# Altium PCB TempdevAmmy0818.PcbDoc (part 2 of 4)
Units mm, origin at the board's own origin, x right, y up, seen from the top; angles counter-clockwise.
Board outline 80.01 x 100.08 mm, 2 copper layers (Top Layer, Bottom Layer); 938 components, 619 nets, 2936 pads, 107 vias.
Unrouted connection lines stored in the file: 2132.
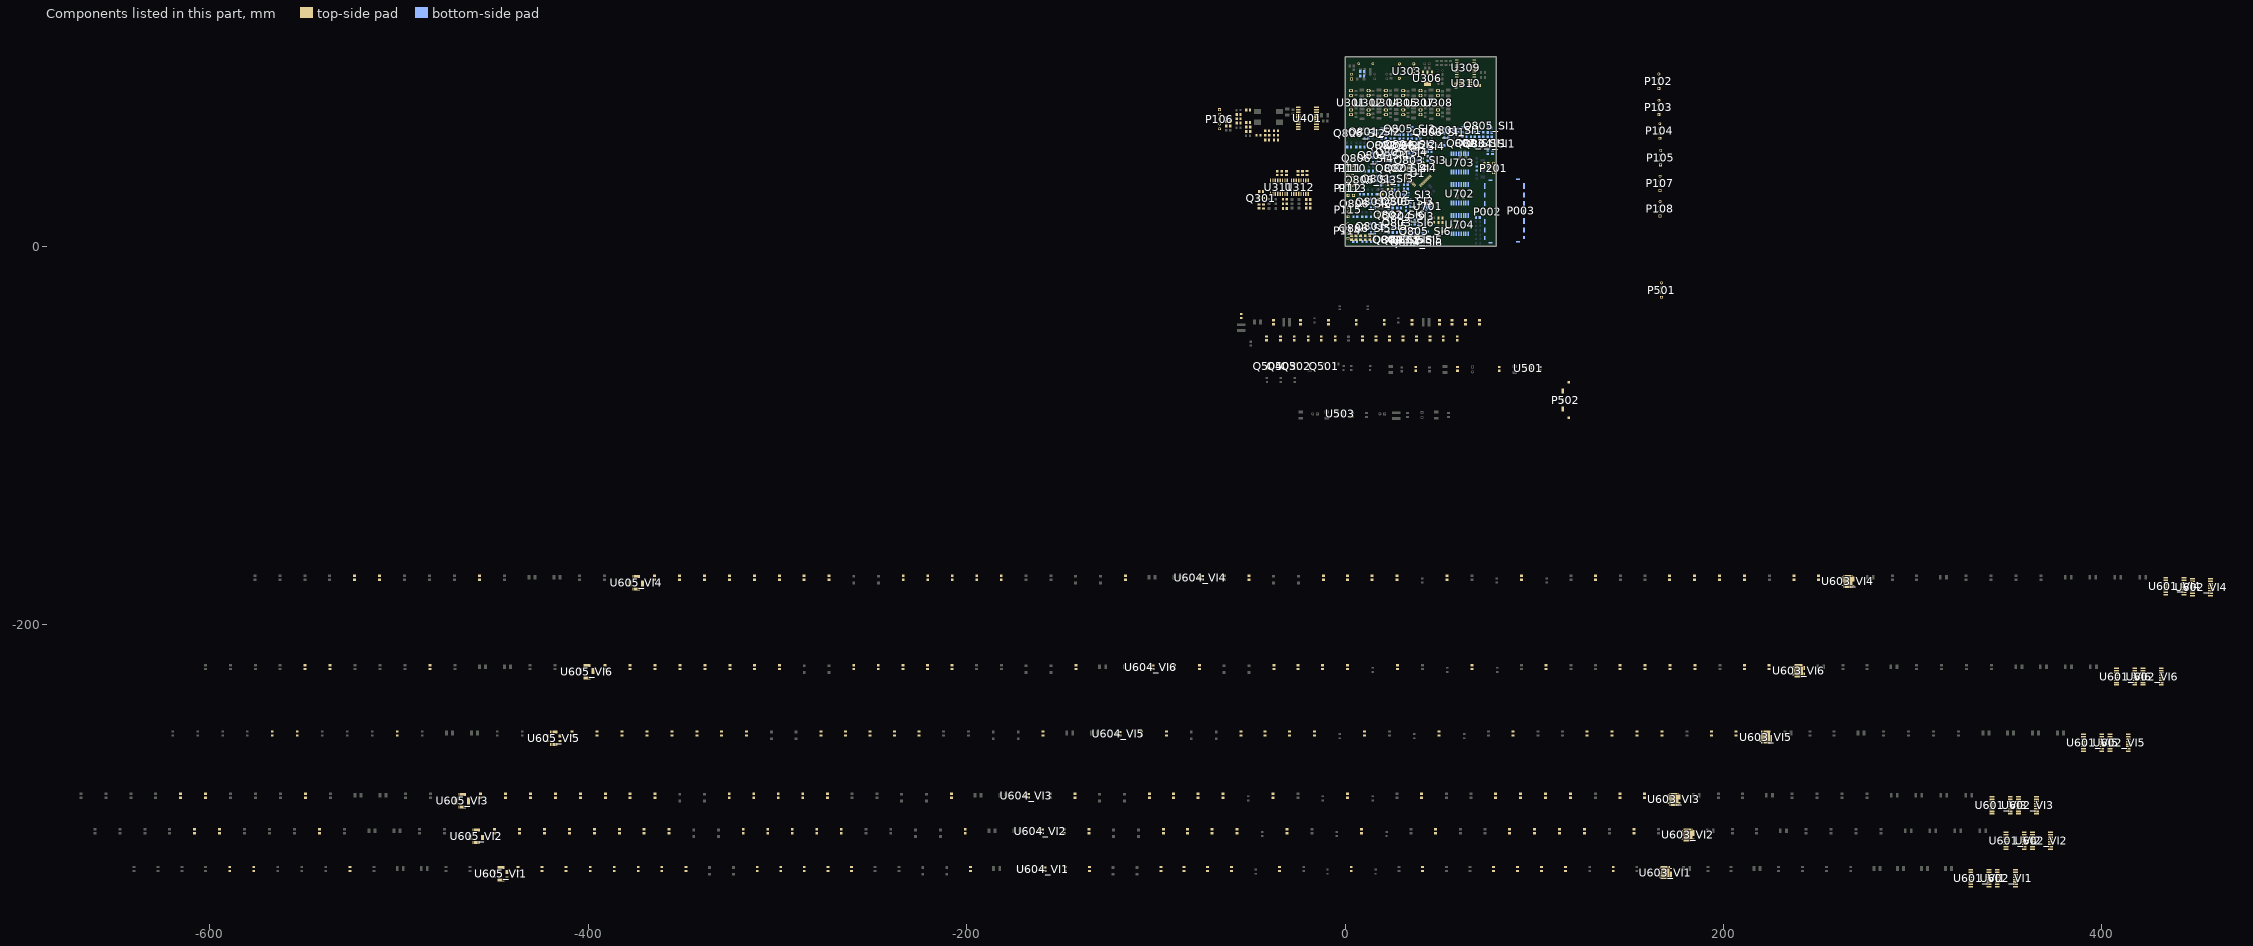
[diagram p2: the components of this part, seen from the top]

## Components (designator, comment, footprint, x,y, rotation, side; value= is the part's Value field where it differs from the comment) (continued)
L601_VI3 "VLS4012HBX-150M" 0805R#1 158.217,-291.338 r90 top value=47uH (schematic designator L601)
L601_VI4 "VLS4012HBX-150M" 0805R#1 250.165,-176.149 r90 top value=47uH (schematic designator L601)
L601_VI5 "VLS4012HBX-150M" 0805R#1 206.629,-258.445 r90 top value=47uH (schematic designator L601)
L601_VI6 "VLS4012HBX-150M" 0805R#1 224.028,-223.393 r90 top value=47uH (schematic designator L601)
L602_VI1 "VLS4012HBX-150M" 0805R#1 91.186,-330.073 r90 top value=47uH (schematic designator L602)
L602_VI2 "VLS4012HBX-150M" 0805R#1 100.076,-310.134 r90 top value=47uH (schematic designator L602)
L602_VI3 "VLS4012HBX-150M" 0805R#1 92.685,-291.338 r90 top value=47uH (schematic designator L602)
L602_VI4 "VLS4012HBX-150M" 0805R#1 184.633,-176.149 r90 top value=47uH (schematic designator L602)
L602_VI5 "VLS4012HBX-150M" 0805R#1 141.097,-258.445 r90 top value=47uH (schematic designator L602)
L602_VI6 "VLS4012HBX-150M" 0805R#1 158.496,-223.393 r90 top value=47uH (schematic designator L602)
L603_VI1 "VLS4012HBX-150M" 0805R#1 -147.828,-330.073 r90 top value=47uH (schematic designator L603)
L603_VI2 "VLS4012HBX-150M" 0805R#1 -148.59,-310.134 r90 top value=47uH (schematic designator L603)
L603_VI3 "VLS4012HBX-150M" 0805R#1 -155.981,-291.338 r90 top value=47uH (schematic designator L603)
L603_VI4 "VLS4012HBX-150M" 0805R#1 -64.033,-176.149 r90 top value=47uH (schematic designator L603)
L603_VI5 "VLS4012HBX-150M" 0805R#1 -107.569,-258.445 r90 top value=47uH (schematic designator L603)
L603_VI6 "VLS4012HBX-150M" 0805R#1 -90.17,-223.393 r90 top value=47uH (schematic designator L603)
L701 "VLS4012HBX-150M" 0805r#2 69.596,41.148 r270 bottom value=47uH
L702 "VLS4012HBX-150M" 0805r#2 75.946,41.021 r270 bottom value=47uH
MOV401 "" 0805r#2 -61.706,65.913 r180 top
MOV402 "" 0805r#2 -61.706,63.627 r180 top
NTC701 "NTCS0805E3103JHT" 0805r#2 23.765,25.146 r180 top
P002 "FPC60" FPC60 73.699,33.149 r270 bottom
P003 "FPC60" FPC60 94.703,4.134 r90 bottom
P101 "Header 2" HDR1X2 3.429,88.392 r90 top
P102 "Header 4" HDR1X4 165.862,83.439 r90 top
P103 "Header 4" HDR1X4 165.862,69.596 r90 top
P104 "Header 4" HDR1X4 166.37,57.15 r90 top
P105 "Header 4" HDR1X4 166.751,43.053 r90 top
P106 "Header 5" HDR1X5 -66.294,72.263 r270 top
P107 "Header 4" HDR1X4 166.497,29.464 r90 top
P108 "Header 4" HDR1X4 166.497,16.002 r90 top
P110 "Header 4" HDR1X4 4.064,37.465 r90 top
P111 "Header 4" HDR1X4 1.651,37.465 r90 top
P112 "Header 4" HDR1X4 1.651,26.924 r90 top
P113 "Header 4" HDR1X4 4.445,26.924 r90 top
P114 "Header 4" HDR1X4 1.524,4.318 r90 top
P115 "Header 4" HDR1X4 1.651,15.621 r90 top
P201 "Header 3" HDR1X3 78.486,38.862 r90 top
P501 "Header 4" HDR1X4 167.259,-26.924 r90 top
P502 "FPC30PIN" FPC30 114.991,-88.463 r90 top
PTC401 "NTCS0805E3103JHT" 0805r#2 -56.261,67.437 r0 top
PTC402 "NTCS0805E3103JHT" 0805r#2 -51.165,62.992 r180 top
Q301 "MMSS8050" SOT-23(SS8050) -45.466,26.411 r270 top
Q501 "MMSS8050" SOT-23 -11.938,-64.516 r0 top
Q502 "MMSS8050" SOT-23 -26.67,-64.516 r0 top
Q503 "MMSS8050" SOT-23 -34.036,-64.516 r0 top
Q504 "MMSS8050" SOT-23 -41.402,-64.516 r0 top
Q801_SI1 "MMSS8550" SOT-23 59.69,62.291 r270 bottom (schematic designator Q801)
Q801_SI2 "MMSS8550" SOT-23 16.764,61.463 r270 bottom (schematic designator Q801)
Q801_SI3 "MMSS8550" SOT-23 23.671,36.642 r270 bottom (schematic designator Q801)
Q801_SI4 "MMSS8550" SOT-23 21.59,49.083 r270 bottom (schematic designator Q801)
Q801_SI5 "MMSS8550" SOT-23 20.701,11.618 r270 bottom (schematic designator Q801)
Q801_SI6 "MMSS8550" SOT-23 20.701,24.572 r270 bottom (schematic designator Q801)
Q802_SI1 "MMSS8550" SOT-23 68.707,55.499 r270 bottom (schematic designator Q802)
Q802_SI2 "MMSS8550" SOT-23 26.289,54.29 r270 bottom (schematic designator Q802)
Q802_SI3 "MMSS8550" SOT-23 33.147,28.321 r270 bottom (schematic designator Q802)
Q802_SI4 "MMSS8550" SOT-23 31.242,42.098 r270 bottom (schematic designator Q802)
Q802_SI5 "MMSS8550" SOT-23 29.591,4.506 r270 bottom (schematic designator Q802)
Q802_SI6 "MMSS8550" SOT-23 29.972,17.587 r270 bottom (schematic designator Q802)
Q803_SI1 "MMSS8050" SOT-23 73.152,55.433 r270 bottom (schematic designator Q803)
Q803_SI2 "MMSS8050" SOT-23 30.988,54.483 r270 bottom (schematic designator Q803)
Q803_SI3 "MMSS8050" SOT-23 40.816,46.421 r270 bottom (schematic designator Q803)
Q803_SI4 "MMSS8050" SOT-23 35.941,42.098 r270 bottom (schematic designator Q803)
Q803_SI5 "MMSS8050" SOT-23 34.163,4.506 r270 bottom (schematic designator Q803)
Q803_SI6 "MMSS8050" SOT-23 34.544,13.34 r270 bottom (schematic designator Q803)
Q804_SI1 "MMSS8550" SOT-23 77.155,53.037 r180 bottom (schematic designator Q804)
Q804_SI2 "MMSS8550" SOT-23 35.56,54.991 r270 bottom (schematic designator Q804)
Q804_SI3 "MMSS8550" SOT-23 34.593,16.83 r270 bottom (schematic designator Q804)
Q804_SI4 "MMSS8550" SOT-23 40.181,53.914 r270 bottom (schematic designator Q804)
Q804_SI5 "MMSS8550" SOT-23 29.596,4.567 r180 top (schematic designator Q804)
Q804_SI6 "MMSS8550" SOT-23 38.989,2.794 r270 bottom (schematic designator Q804)
Q805_SI1 "BSS138" SOT-23(SS8050) 77.47,62.484 r180 bottom (schematic designator Q805)
Q805_SI2 "BSS138" SOT-23(SS8050) 35.306,63.119 r270 bottom (schematic designator Q805)
Q805_SI3 "BSS138" SOT-23(SS8050) 34.29,24.897 r270 bottom (schematic designator Q805)
Q805_SI4 "BSS138" SOT-23(SS8050) 31.115,50.678 r270 bottom (schematic designator Q805)
Q805_SI5 "BSS138" SOT-23(SS8050) 36.83,4.445 r270 top (schematic designator Q805)
Q805_SI6 "BSS138" SOT-23(SS8050) 41.148,6.985 r90 bottom (schematic designator Q805)
Q806_SI1 "Si1024X" SOT563 49.268,61.125 r270 bottom (schematic designator Q806)
Q806_SI2 "Si1024X" SOT563 7.231,60.414 r270 bottom (schematic designator Q806)
Q806_SI3 "Si1024X" SOT563 12.954,35.979 r270 bottom (schematic designator Q806)
Q806_SI4 "Si1024X" SOT563 11.43,47.371 r270 bottom (schematic designator Q806)
Q806_SI5 "Si1024X" SOT563 10.295,10.325 r270 bottom (schematic designator Q806)
Q806_SI6 "Si1024X" SOT563 10.541,23.152 r270 bottom (schematic designator Q806)
R201 "RC0805JR-000KL" 0805R#2 50.435,14.986 r180 top value=0R
R202 "RC0805JR-07120RL" 0805R#2 50.435,12.573 r180 top value=120
R203 "RC0805JR-0710KL" 0805R#2 45.847,12.7 r180 top value=10K
R204 "RC0805JR-0720RL" 0805R#2 74.676,43.942 r180 top value=20
R205 "RC0805JR-0720RL" 0805R#2 74.676,41.402 r180 top value=20
R206 "RC0805JR-0710KL" 0805R#2 -36.465,61.087 r0 top value=10K
R207 "RC0805JR-0710KL" 0805R#2 -41.148,56.261 r180 top value=10K
R208 "RC0805JR-0710KL" 0805R#2 -41.132,58.674 r180 top value=10K
R209 "RC0805JR-0710KL" 0805R#2 -36.465,56.261 r0 top value=NC
R210 "RC0805JR-0710KL" 0805R#2 -36.465,58.674 r0 top value=NC
R211 "RC0805JR-0710KL" 0805R#2 -41.148,61.087 r180 top value=NC
R212 "RC0805JR-000KL" 0805R#2 -45.736,58.674 r0 top value=0R
R213 "RC0805JR-0710KL" 0805R#2 70.231,15.24 r180 bottom value=10K
R301 "PNP-200KJBJ26-10R" 0805R#1 10.049,92.456 r180 bottom value=10
R302 "PNP-200KJBJ26-10R" 0805R#1 10.049,90.043 r180 bottom value=10
R303 "10D470K" 10D470K 10.989,96.52 r180 bottom
R304 "RC0805JR-071KL" 0805R#2 58.674,84.947 r90 top value=1K
R305 "RC0805JR-07470RL" 0805R#2 70.104,84.963 r0 top value=470
R306 "RC0805JR-071KL" 0805R#2 -31.75,24.892 r180 top value=1K
R307 "RC0805JR-071KL" 0805R#2 -31.75,22.479 r180 top value=1K
R308 "RC0805JR-071KL" 0805R#2 -31.75,20.066 r180 top value=1K
R309 "RC0805JR-071KL" 0805R#2 -19.431,24.765 r180 top value=1K
R310 "RC0805JR-071KL" 0805R#2 -19.431,22.479 r180 top value=1K
R311 "RC0805JR-071KL" 0805R#2 -19.431,20.193 r180 top value=1K
R312 "RC0805JR-074700RL" 0805R#2 -30.988,38.719 r90 top value=4.7K
R313 "RC0805JR-074700RL" 0805R#2 -33.401,38.719 r90 top value=4.7K
R314 "RC0805JR-0710KL" 0805R#2 -44.339,28.956 r0 top value=10K
R315 "RC0805JR-074700RL" 0805R#2 -35.814,38.719 r90 top value=4.7K
R316 "RC0805JR-074700RL" 0805R#2 -20.066,38.735 r90 top value=4.7K
R317 "RC0805JR-071KL" 0805R#2 -43.053,21.082 r270 top value=1K
R318 "RC0805JR-071KL" 0805R#2 -45.466,21.082 r90 top value=1K
R319 "RC0805JR-074700RL" 0805R#2 -22.479,38.719 r90 top value=4.7K
R320 "RC0805JR-074700RL" 0805R#2 -24.892,38.719 r90 top value=4.7K
R401 "RC0805JR-0710KL" 0805R#2 -56.261,69.723 r0 top value=10K
R402 "RC0805JR-0720RL" 0805R#2 -51.181,72.009 r180 top value=20
R403 "" 0805R#2 -56.277,65.151 r0 top value=3.9K
R404 "RC0805JR-0720RL" 0805R#2 -51.197,65.405 r0 top value=20
R405 "RC0805JR-0710KL" 0805R#2 -51.165,60.706 r180 top value=10K
R501 "0805L075" 0805R#2 -37.719,-40.132 r270 top value=PTC
R502 "" 0805R#2 -23.495,-40.132 r270 top value=NC
R503 "RC0805JR-0720RL" 0805R#2 -8.763,-40.132 r270 top value=20
R504 "RC0805JR-0720RL" 0805R#2 5.969,-40.132 r270 top value=20
R505 "" 0805R#2 20.701,-40.132 r270 top value=1.5K
R506 "0805L075" 0805R#2 35.433,-40.132 r270 top value=PTC
R507 "RC0805JR-0710KL" 0805R#2 51.943,-48.641 r90 top value=10K
R508 "RC0805JR-0710KL" 0805R#2 59.309,-48.641 r90 top value=10K
R509 "RC0805JR-0710KL" 0805R#2 70.993,-40.132 r270 top value=10K
R510 "RC0805JR-0710KL" 0805R#2 63.627,-40.132 r270 top value=10K
R511 "RC0805JR-0710KL" 0805R#2 56.515,-40.132 r270 top value=10K
R512 "RC0805JR-0710KL" 0805R#2 49.911,-40.132 r270 top value=10K
R513 "RC0805JR-0710KL" 0805R#2 23.495,-48.641 r90 top value=10K
R514 "RC0805JR-0710KL" 0805R#2 30.607,-48.641 r90 top value=10K
R515 "RC0805JR-0710KL" 0805R#2 37.719,-48.641 r90 top value=10K
R516 "RC0805JR-0710KL" 0805R#2 44.831,-48.641 r90 top value=10K
R517 "RC0805JR-07120RL" 0805R#2 16.383,-48.641 r90 top value=120
R518 "RC0805JR-0710KL" 0805R#2 9.271,-48.641 r90 top value=10K
R519 "RC0805JR-07120RL" 0805R#2 -5.207,-48.641 r90 top value=120
R520 "RC0805JR-0710KL" 0805R#2 -12.573,-48.641 r90 top value=10K
R521 "RC0805JR-07120RL" 0805R#2 -19.431,-48.641 r90 top value=120
R522 "RC0805JR-0710KL" 0805R#2 -26.797,-48.641 r90 top value=10K
R523 "RC0805JR-07120RL" 0805R#2 -34.163,-48.641 r90 top value=120
R524 "RC0805JR-0710KL" 0805R#2 -41.529,-48.641 r90 top value=10K
R525 "" 0805R#2 103.124,-64.77 r90 top value=150k
R526 "" 0805R#2 81.534,-64.77 r90 top value=51k
R527 "RC0805JR-0720RL" 0805R#2 59.436,-64.77 r90 top value=51R
R528 "RC0805JR-0720RL" 0805R#2 37.338,-64.77 r90 top value=560k
R529 "" 0805R#2 4.064,-88.9 r90 top value=127k
R530 "" 0805R#2 -54.864,-36.83 r90 top value=13.3k
R601_VI1 "RC0805JR-0710KL" 0805R#1 141.732,-330.073 r90 top value=10K (schematic designator R601)
R601_VI2 "RC0805JR-0710KL" 0805R#1 152.654,-310.134 r90 top value=10K (schematic designator R601)
R601_VI3 "RC0805JR-0710KL" 0805R#1 145.263,-291.338 r90 top value=10K (schematic designator R601)
R601_VI4 "RC0805JR-0710KL" 0805R#1 237.211,-176.149 r90 top value=10K (schematic designator R601)
R601_VI5 "RC0805JR-0710KL" 0805R#1 193.675,-258.445 r90 top value=10K (schematic designator R601)
R601_VI6 "RC0805JR-0710KL" 0805R#1 211.074,-223.393 r90 top value=10K (schematic designator R601)
R602_VI1 "RC0805JR-000KL" 0805R#1 116.586,-330.073 r90 top value=0R (schematic designator R602)
R602_VI2 "RC0805JR-000KL" 0805R#1 126.492,-310.134 r90 top value=0R (schematic designator R602)
R602_VI3 "RC0805JR-000KL" 0805R#1 119.101,-291.338 r90 top value=0R (schematic designator R602)
R602_VI4 "RC0805JR-000KL" 0805R#1 211.049,-176.149 r90 top value=0R (schematic designator R602)
R602_VI5 "RC0805JR-000KL" 0805R#1 167.513,-258.445 r90 top value=0R (schematic designator R602)
R602_VI6 "RC0805JR-000KL" 0805R#1 184.912,-223.393 r90 top value=0R (schematic designator R602)
R603_VI1 "RC0805JR-073KL" 0805R#1 103.886,-330.073 r90 top value=13.7K (schematic designator R603)
R603_VI2 "RC0805JR-073KL" 0805R#1 113.284,-310.134 r90 top value=13.7K (schematic designator R603)
R603_VI3 "RC0805JR-073KL" 0805R#1 105.893,-291.338 r90 top value=13.7K (schematic designator R603)
R603_VI4 "RC0805JR-073KL" 0805R#1 197.841,-176.149 r90 top value=13.7K (schematic designator R603)
R603_VI5 "RC0805JR-073KL" 0805R#1 154.305,-258.445 r90 top value=13.7K (schematic designator R603)
R603_VI6 "RC0805JR-073KL" 0805R#1 171.704,-223.393 r90 top value=13.7K (schematic designator R603)
R604_VI1 "RC0805JR-000KL" 0805R#1 78.486,-330.073 r90 top value=0R (schematic designator R604)
R604_VI2 "RC0805JR-000KL" 0805R#1 86.868,-310.134 r90 top value=0R (schematic designator R604)
R604_VI3 "RC0805JR-000KL" 0805R#1 79.477,-291.338 r90 top value=0R (schematic designator R604)
R604_VI4 "RC0805JR-000KL" 0805R#1 171.425,-176.149 r90 top value=0R (schematic designator R604)
R604_VI5 "RC0805JR-000KL" 0805R#1 127.889,-258.445 r90 top value=0R (schematic designator R604)
R604_VI6 "RC0805JR-000KL" 0805R#1 145.288,-223.393 r90 top value=0R (schematic designator R604)
R605_VI1 "RC0805JR-000KL" 0805R#1 40.894,-330.073 r90 top value=0R (schematic designator R605)
R605_VI2 "RC0805JR-000KL" 0805R#1 47.752,-310.134 r90 top value=0R (schematic designator R605)
R605_VI3 "RC0805JR-000KL" 0805R#1 40.361,-291.338 r90 top value=0R (schematic designator R605)
R605_VI4 "RC0805JR-000KL" 0805R#1 132.309,-176.149 r90 top value=0R (schematic designator R605)
R605_VI5 "RC0805JR-000KL" 0805R#1 88.773,-258.445 r90 top value=0R (schematic designator R605)
R605_VI6 "RC0805JR-000KL" 0805R#1 106.172,-223.393 r90 top value=0R (schematic designator R605)
R606_VI1 "" 0805R#1 3.302,-330.073 r90 top value=10R (schematic designator R606)
R606_VI2 "" 0805R#1 8.636,-310.134 r90 top value=10R (schematic designator R606)
R606_VI3 "" 0805R#1 1.245,-291.338 r90 top value=10R (schematic designator R606)
R606_VI4 "" 0805R#1 93.193,-176.149 r90 top value=10R (schematic designator R606)
R606_VI5 "" 0805R#1 49.657,-258.445 r90 top value=10R (schematic designator R606)
R606_VI6 "" 0805R#1 67.056,-223.393 r90 top value=10R (schematic designator R606)
R607_VI1 "RC0805JR-074700RL" 0805R#1 -34.544,-330.073 r90 top value=4.7K (schematic designator R607)
R607_VI2 "RC0805JR-074700RL" 0805R#1 -30.734,-310.134 r90 top value=4.7K (schematic designator R607)
R607_VI3 "RC0805JR-074700RL" 0805R#1 -38.125,-291.338 r90 top value=4.7K (schematic designator R607)
R607_VI4 "RC0805JR-074700RL" 0805R#1 53.823,-176.149 r90 top value=4.7K (schematic designator R607)
R607_VI5 "RC0805JR-074700RL" 0805R#1 10.287,-258.445 r90 top value=4.7K (schematic designator R607)
R607_VI6 "RC0805JR-074700RL" 0805R#1 27.686,-223.393 r90 top value=4.7K (schematic designator R607)
R608_VI1 "RC0805JR-071KL" 0805R#1 -59.944,-330.073 r90 top value=1K (schematic designator R608)
R608_VI2 "RC0805JR-071KL" 0805R#1 -57.15,-310.134 r90 top value=1K (schematic designator R608)
R608_VI3 "RC0805JR-071KL" 0805R#1 -64.541,-291.338 r90 top value=1K (schematic designator R608)
R608_VI4 "RC0805JR-071KL" 0805R#1 27.407,-176.149 r90 top value=1K (schematic designator R608)
R608_VI5 "RC0805JR-071KL" 0805R#1 -16.129,-258.445 r90 top value=1K (schematic designator R608)
R608_VI6 "RC0805JR-071KL" 0805R#1 1.27,-223.393 r90 top value=1K (schematic designator R608)
R609_VI1 "RC0805JR-071KL" 0805R#1 -72.644,-330.073 r90 top value=1K (schematic designator R609)
R609_VI2 "RC0805JR-071KL" 0805R#1 -70.358,-310.134 r90 top value=1K (schematic designator R609)
R609_VI3 "RC0805JR-071KL" 0805R#1 -77.749,-291.338 r90 top value=1K (schematic designator R609)
R609_VI4 "RC0805JR-071KL" 0805R#1 14.199,-176.149 r90 top value=1K (schematic designator R609)
R609_VI5 "RC0805JR-071KL" 0805R#1 -29.337,-258.445 r90 top value=1K (schematic designator R609)
R609_VI6 "RC0805JR-071KL" 0805R#1 -11.938,-223.393 r90 top value=1K (schematic designator R609)
R610_VI1 "RC0805JR-071KL" 0805R#1 -85.09,-330.073 r90 top value=1K (schematic designator R610)
R610_VI2 "RC0805JR-071KL" 0805R#1 -83.312,-310.134 r90 top value=1K (schematic designator R610)
R610_VI3 "RC0805JR-071KL" 0805R#1 -90.703,-291.338 r90 top value=1K (schematic designator R610)
R610_VI4 "RC0805JR-071KL" 0805R#1 1.245,-176.149 r90 top value=1K (schematic designator R610)
R610_VI5 "RC0805JR-071KL" 0805R#1 -42.291,-258.445 r90 top value=1K (schematic designator R610)
R610_VI6 "RC0805JR-071KL" 0805R#1 -24.892,-223.393 r90 top value=1K (schematic designator R610)
R611_VI1 "RC0805JR-071KL" 0805R#1 -97.282,-330.073 r90 top value=1K (schematic designator R611)
R611_VI2 "RC0805JR-071KL" 0805R#1 -96.012,-310.134 r90 top value=1K (schematic designator R611)
R611_VI3 "RC0805JR-071KL" 0805R#1 -103.403,-291.338 r90 top value=1K (schematic designator R611)
R611_VI4 "RC0805JR-071KL" 0805R#1 -11.455,-176.149 r90 top value=1K (schematic designator R611)
R611_VI5 "RC0805JR-071KL" 0805R#1 -54.991,-258.445 r90 top value=1K (schematic designator R611)
R611_VI6 "RC0805JR-071KL" 0805R#1 -37.592,-223.393 r90 top value=1K (schematic designator R611)
R612_VI1 "RC0805JR-073KL" 0805R#1 -135.128,-330.073 r90 top value=3K (schematic designator R612)
R612_VI2 "RC0805JR-073KL" 0805R#1 -135.382,-310.134 r90 top value=3K (schematic designator R612)
R612_VI3 "RC0805JR-073KL" 0805R#1 -142.773,-291.338 r90 top value=3K (schematic designator R612)
R612_VI4 "RC0805JR-073KL" 0805R#1 -50.825,-176.149 r90 top value=3K (schematic designator R612)
R612_VI5 "RC0805JR-073KL" 0805R#1 -94.361,-258.445 r90 top value=3K (schematic designator R612)
R612_VI6 "RC0805JR-073KL" 0805R#1 -76.962,-223.393 r90 top value=3K (schematic designator R612)
R613_VI1 "RC0805JR-000KL" 0805R#1 -197.866,-330.073 r90 top value=0R (schematic designator R613)
R613_VI2 "RC0805JR-000KL" 0805R#1 -200.66,-310.134 r90 top value=0R (schematic designator R613)
R613_VI3 "RC0805JR-000KL" 0805R#1 -208.051,-291.338 r90 top value=0R (schematic designator R613)
R613_VI4 "RC0805JR-000KL" 0805R#1 -116.103,-176.149 r90 top value=0R (schematic designator R613)
R613_VI5 "RC0805JR-000KL" 0805R#1 -159.639,-258.445 r90 top value=0R (schematic designator R613)
R613_VI6 "RC0805JR-000KL" 0805R#1 -142.24,-223.393 r90 top value=0R (schematic designator R613)
R614_VI1 "RC0805JR-000KL" 0805R#1 -260.858,-330.073 r90 top value=0R (schematic designator R614)
R614_VI2 "RC0805JR-000KL" 0805R#1 -266.192,-310.134 r90 top value=0R (schematic designator R614)
R614_VI3 "RC0805JR-000KL" 0805R#1 -273.583,-291.338 r90 top value=0R (schematic designator R614)
R614_VI4 "RC0805JR-000KL" 0805R#1 -181.635,-176.149 r90 top value=0R (schematic designator R614)
R614_VI5 "RC0805JR-000KL" 0805R#1 -225.171,-258.445 r90 top value=0R (schematic designator R614)
R614_VI6 "RC0805JR-000KL" 0805R#1 -207.772,-223.393 r90 top value=0R (schematic designator R614)
R615_VI1 "RC0805JR-073KL" 0805R#1 -285.75,-330.073 r90 top value=3K (schematic designator R615)
R615_VI2 "RC0805JR-073KL" 0805R#1 -292.1,-310.134 r90 top value=3K (schematic designator R615)
R615_VI3 "RC0805JR-073KL" 0805R#1 -299.491,-291.338 r90 top value=3K (schematic designator R615)
R615_VI4 "RC0805JR-073KL" 0805R#1 -207.543,-176.149 r90 top value=3K (schematic designator R615)
R615_VI5 "RC0805JR-073KL" 0805R#1 -251.079,-258.445 r90 top value=3K (schematic designator R615)
R615_VI6 "RC0805JR-073KL" 0805R#1 -233.68,-223.393 r90 top value=3K (schematic designator R615)
R616_VI1 "RC0805JR-0710KL" 0805R#1 -273.304,-330.073 r90 top value=10K (schematic designator R616)
R616_VI2 "RC0805JR-0710KL" 0805R#1 -279.146,-310.134 r90 top value=10K (schematic designator R616)
R616_VI3 "RC0805JR-0710KL" 0805R#1 -286.537,-291.338 r90 top value=10K (schematic designator R616)
R616_VI4 "RC0805JR-0710KL" 0805R#1 -194.589,-176.149 r90 top value=10K (schematic designator R616)
R616_VI5 "RC0805JR-0710KL" 0805R#1 -238.125,-258.445 r90 top value=10K (schematic designator R616)
R616_VI6 "RC0805JR-0710KL" 0805R#1 -220.726,-223.393 r90 top value=10K (schematic designator R616)
R617_VI1 "RC0805JR-000KL" 0805R#1 -298.196,-330.073 r90 top value=0R (schematic designator R617)
R617_VI2 "RC0805JR-000KL" 0805R#1 -305.054,-310.134 r90 top value=0R (schematic designator R617)
R617_VI3 "RC0805JR-000KL" 0805R#1 -312.445,-291.338 r90 top value=0R (schematic designator R617)
R617_VI4 "RC0805JR-000KL" 0805R#1 -220.497,-176.149 r90 top value=0R (schematic designator R617)
R617_VI5 "RC0805JR-000KL" 0805R#1 -264.033,-258.445 r90 top value=0R (schematic designator R617)
R617_VI6 "RC0805JR-000KL" 0805R#1 -246.634,-223.393 r90 top value=0R (schematic designator R617)
R618_VI1 "RC0805JR-0710KL" 0805R#1 -310.642,-330.073 r90 top value=10K (schematic designator R618)
R618_VI2 "RC0805JR-0710KL" 0805R#1 -318.008,-310.134 r90 top value=10K (schematic designator R618)
R618_VI3 "RC0805JR-0710KL" 0805R#1 -325.399,-291.338 r90 top value=10K (schematic designator R618)
R618_VI4 "RC0805JR-0710KL" 0805R#1 -233.451,-176.149 r90 top value=10K (schematic designator R618)
R618_VI5 "RC0805JR-0710KL" 0805R#1 -276.987,-258.445 r90 top value=10K (schematic designator R618)
R618_VI6 "RC0805JR-0710KL" 0805R#1 -259.588,-223.393 r90 top value=10K (schematic designator R618)
R619_VI1 "RC0805JR-000KL" 0805R#1 -348.361,-330.073 r90 top value=0R (schematic designator R619)
R619_VI2 "RC0805JR-000KL" 0805R#1 -357.251,-310.134 r90 top value=0R (schematic designator R619)
R619_VI3 "RC0805JR-000KL" 0805R#1 -364.642,-291.338 r90 top value=0R (schematic designator R619)
R619_VI4 "RC0805JR-000KL" 0805R#1 -272.694,-176.149 r90 top value=0R (schematic designator R619)
R619_VI5 "RC0805JR-000KL" 0805R#1 -316.23,-258.445 r90 top value=0R (schematic designator R619)
R619_VI6 "RC0805JR-000KL" 0805R#1 -298.831,-223.393 r90 top value=0R (schematic designator R619)
R620_VI1 "RC0805JR-0710KL" 0805R#1 -361.061,-330.073 r90 top value=10K (schematic designator R620)
R620_VI2 "RC0805JR-0710KL" 0805R#1 -370.459,-310.134 r90 top value=10K (schematic designator R620)
R620_VI3 "RC0805JR-0710KL" 0805R#1 -377.85,-291.338 r90 top value=10K (schematic designator R620)
R620_VI4 "RC0805JR-0710KL" 0805R#1 -285.902,-176.149 r90 top value=10K (schematic designator R620)
R620_VI5 "RC0805JR-0710KL" 0805R#1 -329.438,-258.445 r90 top value=10K (schematic designator R620)
R620_VI6 "RC0805JR-0710KL" 0805R#1 -312.039,-223.393 r90 top value=10K (schematic designator R620)
R621_VI1 "RC0805JR-000KL" 0805R#1 -373.507,-330.073 r90 top value=0R (schematic designator R621)
R621_VI2 "RC0805JR-000KL" 0805R#1 -383.413,-310.134 r90 top value=0R (schematic designator R621)
R621_VI3 "RC0805JR-000KL" 0805R#1 -390.804,-291.338 r90 top value=0R (schematic designator R621)
R621_VI4 "RC0805JR-000KL" 0805R#1 -298.856,-176.149 r90 top value=0R (schematic designator R621)
R621_VI5 "RC0805JR-000KL" 0805R#1 -342.392,-258.445 r90 top value=0R (schematic designator R621)
R621_VI6 "RC0805JR-000KL" 0805R#1 -324.993,-223.393 r90 top value=0R (schematic designator R621)
R622_VI1 "RC0805JR-000KL" 0805R#1 -386.207,-330.073 r90 top value=0R (schematic designator R622)
R622_VI2 "RC0805JR-000KL" 0805R#1 -396.621,-310.134 r90 top value=0R (schematic designator R622)
R622_VI3 "RC0805JR-000KL" 0805R#1 -404.012,-291.338 r90 top value=0R (schematic designator R622)
R622_VI4 "RC0805JR-000KL" 0805R#1 -312.064,-176.149 r90 top value=0R (schematic designator R622)
R622_VI5 "RC0805JR-000KL" 0805R#1 -355.6,-258.445 r90 top value=0R (schematic designator R622)
R622_VI6 "RC0805JR-000KL" 0805R#1 -338.201,-223.393 r90 top value=0R (schematic designator R622)
R623_VI1 "RC0805JR-0710KL" 0805R#1 -398.907,-330.073 r90 top value=10K (schematic designator R623)
R623_VI2 "RC0805JR-0710KL" 0805R#1 -409.829,-310.134 r90 top value=10K (schematic designator R623)
R623_VI3 "RC0805JR-0710KL" 0805R#1 -417.22,-291.338 r90 top value=10K (schematic designator R623)
R623_VI4 "RC0805JR-0710KL" 0805R#1 -325.272,-176.149 r90 top value=10K (schematic designator R623)
R623_VI5 "RC0805JR-0710KL" 0805R#1 -368.808,-258.445 r90 top value=10K (schematic designator R623)
R623_VI6 "RC0805JR-0710KL" 0805R#1 -351.409,-223.393 r90 top value=10K (schematic designator R623)
R624_VI1 "RC0805JR-0710KL" 0805R#1 -411.607,-330.073 r90 top value=10K (schematic designator R624)
R624_VI2 "RC0805JR-0710KL" 0805R#1 -423.037,-310.134 r90 top value=10K (schematic designator R624)
R624_VI3 "RC0805JR-0710KL" 0805R#1 -430.428,-291.338 r90 top value=10K (schematic designator R624)
R624_VI4 "RC0805JR-0710KL" 0805R#1 -338.48,-176.149 r90 top value=10K (schematic designator R624)
R624_VI5 "RC0805JR-0710KL" 0805R#1 -382.016,-258.445 r90 top value=10K (schematic designator R624)
R624_VI6 "RC0805JR-0710KL" 0805R#1 -364.617,-223.393 r90 top value=10K (schematic designator R624)
R625_VI1 "RC0805JR-000KL" 0805R#1 -424.307,-330.073 r90 top value=0R (schematic designator R625)
R625_VI2 "RC0805JR-000KL" 0805R#1 -436.245,-310.134 r90 top value=0R (schematic designator R625)
R625_VI3 "RC0805JR-000KL" 0805R#1 -443.636,-291.338 r90 top value=0R (schematic designator R625)
R625_VI4 "RC0805JR-000KL" 0805R#1 -351.688,-176.149 r90 top value=0R (schematic designator R625)
R625_VI5 "RC0805JR-000KL" 0805R#1 -395.224,-258.445 r90 top value=0R (schematic designator R625)
R625_VI6 "RC0805JR-000KL" 0805R#1 -377.825,-223.393 r90 top value=0R (schematic designator R625)
R626_VI1 "RC0805JR-0710KL" 0805R#1 -437.007,-330.073 r90 top value=10K (schematic designator R626)
R626_VI2 "RC0805JR-0710KL" 0805R#1 -449.453,-310.134 r90 top value=10K (schematic designator R626)
R626_VI3 "RC0805JR-0710KL" 0805R#1 -456.844,-291.338 r90 top value=10K (schematic designator R626)
R626_VI4 "RC0805JR-0710KL" 0805R#1 -364.896,-176.149 r90 top value=10K (schematic designator R626)
R626_VI5 "RC0805JR-0710KL" 0805R#1 -408.432,-258.445 r90 top value=10K (schematic designator R626)
R626_VI6 "RC0805JR-0710KL" 0805R#1 -391.033,-223.393 r90 top value=10K (schematic designator R626)
R627_VI1 "" 0805R#1 -525.907,-330.073 r90 top value=150K (schematic designator R627)
R627_VI2 "" 0805R#1 -541.909,-310.134 r90 top value=150K (schematic designator R627)
R627_VI3 "" 0805R#1 -549.3,-291.338 r90 top value=150K (schematic designator R627)
R627_VI4 "" 0805R#1 -457.352,-176.149 r90 top value=150K (schematic designator R627)
R627_VI5 "" 0805R#1 -500.888,-258.445 r90 top value=150K (schematic designator R627)
R627_VI6 "" 0805R#1 -483.489,-223.393 r90 top value=150K (schematic designator R627)
R628_VI1 "" 0805R#1 -576.707,-330.073 r90 top value=1.2M (schematic designator R628)
R628_VI2 "" 0805R#1 -594.741,-310.134 r90 top value=1.2M (schematic designator R628)
R628_VI3 "" 0805R#1 -602.132,-291.338 r90 top value=1.2M (schematic designator R628)
R628_VI4 "" 0805R#1 -510.184,-176.149 r90 top value=1.2M (schematic designator R628)
R628_VI5 "" 0805R#1 -553.72,-258.445 r90 top value=1.2M (schematic designator R628)
R628_VI6 "" 0805R#1 -536.321,-223.393 r90 top value=1.2M (schematic designator R628)
R629_VI1 "" 0805R#1 -589.407,-330.073 r90 top value=1.2M (schematic designator R629)
R629_VI2 "" 0805R#1 -607.949,-310.134 r90 top value=1.2M (schematic designator R629)
R629_VI3 "" 0805R#1 -615.34,-291.338 r90 top value=1.2M (schematic designator R629)
R629_VI4 "" 0805R#1 -523.392,-176.149 r90 top value=1.2M (schematic designator R629)
R629_VI5 "" 0805R#1 -566.928,-258.445 r90 top value=1.2M (schematic designator R629)
R629_VI6 "" 0805R#1 -549.529,-223.393 r90 top value=1.2M (schematic designator R629)
R701 "RC0805JR-075600RL" 0805R#2 18.669,25.146 r0 top value=5.6K
R702 "RC0805JR-071KL" 0805R#2 18.653,27.559 r0 top value=1K
R703 "RC0805JR-071KL" 0805R#2 23.733,32.512 r0 top value=1K
R704 "RC0805JR-07470RL" 0805R#2 23.733,29.972 r0 top value=470
R705 "RC0805JR-000KL" 0805R#2 50.419,7.747 r0 top value=0R
R706 "RC0805JR-071KL" 0805R#2 23.749,15.494 r180 top value=1K
R707 "RC0805JR-075600RL" 0805R#2 18.653,15.494 r0 top value=5.6K
R708 "RC0805JR-071KL" 0805R#2 18.669,17.78 r180 top value=1K
R801_SI1 "RC0805JR-0710KL" 0805R#2 67.564,60.325 r0 bottom value=10K (schematic designator R801)
R801_SI2 "RC0805JR-0710KL" 0805R#2 25.019,59.309 r0 bottom value=10K (schematic designator R801)
R801_SI3 "RC0805JR-0710KL" 0805R#2 32.131,32.639 r0 bottom value=10K (schematic designator R801)
R801_SI4 "RC0805JR-0710KL" 0805R#2 30.099,46.99 r0 bottom value=10K (schematic designator R801)
R801_SI5 "RC0805JR-0710KL" 0805R#2 28.448,9.525 r0 bottom value=10K (schematic designator R801)
R801_SI6 "RC0805JR-0710KL" 0805R#2 28.575,22.606 r0 bottom value=10K (schematic designator R801)
R802_SI1 "RC0805JR-0710KL" 0805R#2 63.119,60.325 r0 bottom value=10K (schematic designator R802)
R802_SI2 "RC0805JR-0710KL" 0805R#2 20.447,59.563 r0 bottom value=10K (schematic designator R802)
R802_SI3 "RC0805JR-0710KL" 0805R#2 27.178,34.671 r0 bottom value=10K (schematic designator R802)
R802_SI4 "RC0805JR-0710KL" 0805R#2 25.146,46.99 r0 bottom value=10K (schematic designator R802)
R802_SI5 "RC0805JR-0710KL" 0805R#2 24.13,9.525 r0 bottom value=10K (schematic designator R802)
R802_SI6 "RC0805JR-0710KL" 0805R#2 24.13,22.606 r0 bottom value=10K (schematic designator R802)
R803_SI1 "RC0805JR-0710KL" 0805R#2 63.119,62.738 r0 bottom value=10K (schematic designator R803)
R803_SI2 "RC0805JR-0710KL" 0805R#2 20.447,61.976 r0 bottom value=10K (schematic designator R803)
R803_SI3 "RC0805JR-0710KL" 0805R#2 27.178,37.084 r0 bottom value=10K (schematic designator R803)
R803_SI4 "RC0805JR-0710KL" 0805R#2 25.146,49.403 r0 bottom value=10K (schematic designator R803)
R803_SI5 "RC0805JR-0710KL" 0805R#2 24.13,11.938 r0 bottom value=10K (schematic designator R803)
R803_SI6 "RC0805JR-0710KL" 0805R#2 24.13,25.019 r0 bottom value=10K (schematic designator R803)
R804_SI1 "RC0805JR-0710KL" 0805R#2 67.564,57.912 r0 bottom value=10K (schematic designator R804)
R804_SI2 "RC0805JR-0710KL" 0805R#2 25.019,56.896 r0 bottom value=10K (schematic designator R804)
R804_SI3 "RC0805JR-0710KL" 0805R#2 32.131,30.226 r0 bottom value=10K (schematic designator R804)
R804_SI4 "RC0805JR-0710KL" 0805R#2 30.099,44.577 r0 bottom value=10K (schematic designator R804)
R804_SI5 "RC0805JR-0710KL" 0805R#2 28.448,7.239 r0 bottom value=10K (schematic designator R804)
R804_SI6 "RC0805JR-0710KL" 0805R#2 28.575,20.193 r0 bottom value=10K (schematic designator R804)
R805_SI1 "RC0805JR-0710KL" 0805R#2 72.009,60.325 r0 bottom value=10K (schematic designator R805)
R805_SI2 "RC0805JR-0710KL" 0805R#2 29.894,59.187 r0 bottom value=10K (schematic designator R805)
R805_SI3 "RC0805JR-0710KL" 0805R#2 44.704,47.625 r0 bottom value=10K (schematic designator R805)
R805_SI4 "RC0805JR-0710KL" 0805R#2 34.925,46.99 r0 bottom value=10K (schematic designator R805)
R805_SI5 "RC0805JR-0710KL" 0805R#2 32.893,9.525 r0 bottom value=10K (schematic designator R805)
R805_SI6 "RC0805JR-0710KL" 0805R#2 37.846,11.811 r0 bottom value=10K (schematic designator R805)
R806_SI1 "RC0805JR-0710KL" 0805R#2 72.009,57.912 r0 bottom value=10K (schematic designator R806)
R806_SI2 "RC0805JR-0710KL" 0805R#2 29.894,56.774 r0 bottom value=10K (schematic designator R806)
R806_SI3 "RC0805JR-0710KL" 0805R#2 44.704,45.212 r0 bottom value=10K (schematic designator R806)
R806_SI4 "RC0805JR-0710KL" 0805R#2 34.925,44.577 r0 bottom value=10K (schematic designator R806)
R806_SI5 "RC0805JR-0710KL" 0805R#2 32.893,7.239 r0 bottom value=10K (schematic designator R806)
R806_SI6 "RC0805JR-0710KL" 0805R#2 37.846,9.398 r0 bottom value=10K (schematic designator R806)
R807_SI1 "RC0805JR-0720RL" 0805R#2 76.454,57.785 r0 bottom value=20 (schematic designator R807)
R807_SI2 "RC0805JR-0720RL" 0805R#2 34.29,56.769 r0 bottom value=20 (schematic designator R807)
R807_SI3 "RC0805JR-0720RL" 0805R#2 33.258,18.796 r0 bottom value=20 (schematic designator R807)
R807_SI4 "RC0805JR-0720RL" 0805R#2 39.132,49.403 r180 bottom value=20 (schematic designator R807)
R807_SI5 "RC0805JR-0720RL" 0805R#2 31.623,3.551 r90 top value=20 (schematic designator R807)
R807_SI6 "RC0805JR-0720RL" 0805R#2 37.957,4.572 r0 bottom value=20 (schematic designator R807)
R808_SI1 "RC0805JR-0710KL" 0805R#2 75.438,49.784 r270 bottom value=10K (schematic designator R808)
R808_SI2 "RC0805JR-0710KL" 0805R#2 38.735,59.182 r0 bottom value=10K (schematic designator R808)
R808_SI3 "RC0805JR-0710KL" 0805R#2 37.846,16.637 r0 bottom value=10K (schematic designator R808)
R808_SI4 "RC0805JR-0710KL" 0805R#2 44.704,50.038 r0 bottom value=10K (schematic designator R808)
R808_SI5 "RC0805JR-0710KL" 0805R#2 30.607,6.858 r0 top value=10K (schematic designator R808)
R808_SI6 "RC0805JR-0710KL" 0805R#2 42.164,2.286 r0 bottom value=10K (schematic designator R808)
R809_SI1 "RC0805JR-0710KL" 0805R#2 76.454,60.198 r180 bottom value=10K (schematic designator R809)
R809_SI2 "RC0805JR-0710KL" 0805R#2 34.29,59.182 r180 bottom value=10K (schematic designator R809)
R809_SI3 "RC0805JR-0710KL" 0805R#2 33.274,21.082 r180 bottom value=10K (schematic designator R809)
R809_SI4 "RC0805JR-0710KL" 0805R#2 34.941,49.403 r180 bottom value=10K (schematic designator R809)
R809_SI5 "RC0805JR-0710KL" 0805R#2 34.544,3.429 r270 top value=10K (schematic designator R809)
R809_SI6 "RC0805JR-0710KL" 0805R#2 37.846,6.985 r180 bottom value=10K (schematic designator R809)
R810_SI1 "RC0805JR-0710KL" 0805R#2 77.851,49.784 r270 bottom value=10K (schematic designator R810)
R810_SI2 "RC0805JR-0710KL" 0805R#2 38.735,56.769 r0 bottom value=10K (schematic designator R810)
R810_SI3 "RC0805JR-0710KL" 0805R#2 37.846,14.224 r0 bottom value=10K (schematic designator R810)
R810_SI4 "RC0805JR-0710KL" 0805R#2 44.704,52.451 r0 bottom value=10K (schematic designator R810)
R810_SI5 "RC0805JR-0710KL" 0805R#2 30.607,9.398 r0 top value=10K (schematic designator R810)
R810_SI6 "RC0805JR-0710KL" 0805R#2 42.164,4.826 r0 bottom value=10K (schematic designator R810)
R811_SI1 "RC0805JR-0710KL" 0805R#2 53.467,59.817 r180 bottom value=10K (schematic designator R811)
R811_SI2 "RC0805JR-0710KL" 0805R#2 11.319,59.563 r180 bottom value=10K (schematic designator R811)
R811_SI3 "RC0805JR-0710KL" 0805R#2 17.796,34.671 r180 bottom value=10K (schematic designator R811)
R811_SI4 "RC0805JR-0710KL" 0805R#2 15.764,46.863 r180 bottom value=10K (schematic designator R811)
R811_SI5 "RC0805JR-0710KL" 0805R#2 14.875,9.525 r180 bottom value=10K (schematic designator R811)
R811_SI6 "RC0805JR-0710KL" 0805R#2 14.748,22.606 r180 bottom value=10K (schematic designator R811)
R812_SI1 "RC0805JR-0720RL" 0805R#2 53.467,62.103 r180 bottom value=20 (schematic designator R812)
R812_SI2 "RC0805JR-0720RL" 0805R#2 11.319,61.976 r180 bottom value=20 (schematic designator R812)
R812_SI3 "RC0805JR-0720RL" 0805R#2 17.796,37.084 r180 bottom value=20 (schematic designator R812)
R812_SI4 "RC0805JR-0720RL" 0805R#2 15.764,49.276 r180 bottom value=20 (schematic designator R812)
R812_SI5 "RC0805JR-0720RL" 0805R#2 14.875,11.938 r180 bottom value=20 (schematic designator R812)
R812_SI6 "RC0805JR-0720RL" 0805R#2 14.748,25.019 r180 bottom value=20 (schematic designator R812)
R813_SI1 "RC0805JR-0720RL" 0805R#2 63.119,57.912 r180 bottom value=20 (schematic designator R813)
R813_SI2 "RC0805JR-0720RL" 0805R#2 20.447,57.15 r180 bottom value=20 (schematic designator R813)
R813_SI3 "RC0805JR-0720RL" 0805R#2 27.178,32.258 r180 bottom value=20 (schematic designator R813)
R813_SI4 "RC0805JR-0720RL" 0805R#2 25.146,44.577 r180 bottom value=20 (schematic designator R813)
R813_SI5 "RC0805JR-0720RL" 0805R#2 24.146,7.239 r180 bottom value=20 (schematic designator R813)
R813_SI6 "RC0805JR-0720RL" 0805R#2 24.146,20.193 r180 bottom value=20 (schematic designator R813)
R814_SI1 "RC0805JR-0710KL" 0805R#2 63.135,55.499 r180 bottom value=10K (schematic designator R814)
R814_SI2 "RC0805JR-0710KL" 0805R#2 20.463,54.737 r180 bottom value=10K (schematic designator R814)
R814_SI3 "RC0805JR-0710KL" 0805R#2 27.178,29.845 r180 bottom value=10K (schematic designator R814)
R814_SI4 "RC0805JR-0710KL" 0805R#2 25.146,42.164 r180 bottom value=10K (schematic designator R814)
R814_SI5 "RC0805JR-0710KL" 0805R#2 24.146,4.953 r180 bottom value=10K (schematic designator R814)
R814_SI6 "RC0805JR-0710KL" 0805R#2 24.13,17.907 r180 bottom value=10K (schematic designator R814)
R815_SI1 "RC0805JR-07100RL" 0805R#2 53.467,57.531 r0 bottom value=100R (schematic designator R815)
R815_SI2 "RC0805JR-07100RL" 0805R#2 11.303,57.15 r0 bottom value=100R (schematic designator R815)
R815_SI3 "RC0805JR-07100RL" 0805R#2 17.78,32.258 r0 bottom value=100R (schematic designator R815)
R815_SI4 "RC0805JR-07100RL" 0805R#2 15.748,44.45 r0 bottom value=100R (schematic designator R815)
R815_SI5 "RC0805JR-07100RL" 0805R#2 14.732,7.239 r0 bottom value=100R (schematic designator R815)
R815_SI6 "RC0805JR-07100RL" 0805R#2 14.732,20.193 r0 bottom value=100R (schematic designator R815)
R816_SI1 "RC0805JR-071KL" 0805R#2 53.483,53.213 r180 bottom value=1K (schematic designator R816)
R816_SI2 "RC0805JR-071KL" 0805R#2 11.319,52.451 r180 bottom value=1K (schematic designator R816)
R816_SI3 "RC0805JR-071KL" 0805R#2 17.796,27.559 r180 bottom value=1K (schematic designator R816)
R816_SI4 "RC0805JR-071KL" 0805R#2 15.764,39.878 r180 bottom value=1K (schematic designator R816)
R816_SI5 "RC0805JR-071KL" 0805R#2 14.859,2.54 r180 bottom value=1K (schematic designator R816)
R816_SI6 "RC0805JR-071KL" 0805R#2 14.748,15.621 r180 bottom value=1K (schematic designator R816)
R817_SI1 "RC0805JR-071KL" 0805R#2 49.403,53.213 r180 bottom value=1K (schematic designator R817)
R817_SI2 "RC0805JR-071KL" 0805R#2 7.001,52.451 r180 bottom value=1K (schematic designator R817)
R817_SI3 "RC0805JR-071KL" 0805R#2 13.224,27.559 r180 bottom value=1K (schematic designator R817)
R817_SI4 "RC0805JR-071KL" 0805R#2 11.446,39.878 r180 bottom value=1K (schematic designator R817)
R817_SI5 "RC0805JR-071KL" 0805R#2 10.303,2.54 r180 bottom value=1K (schematic designator R817)
R817_SI6 "RC0805JR-071KL" 0805R#2 10.176,15.621 r180 bottom value=1K (schematic designator R817)
R818_SI1 "RC0805JR-07100RL" 0805R#2 44.688,54.864 r0 bottom value=100R (schematic designator R818)
R818_SI2 "RC0805JR-07100RL" 0805R#2 2.143,52.451 r0 bottom value=100R (schematic designator R818)
R818_SI3 "RC0805JR-07100RL" 0805R#2 8.874,27.559 r0 bottom value=100R (schematic designator R818)
R818_SI4 "RC0805JR-07100RL" 0805R#2 7.207,39.878 r0 bottom value=100R (schematic designator R818)
R818_SI5 "RC0805JR-07100RL" 0805R#2 5.318,2.54 r0 bottom value=100R (schematic designator R818)
R818_SI6 "RC0805JR-07100RL" 0805R#2 5.445,15.621 r0 bottom value=100R (schematic designator R818)
R819_SI1 "RC0805JR-07470RL" 0805R#2 15.494,4.556 r90 top value=470 (schematic designator R819)
R819_SI2 "RC0805JR-07470RL" 0805R#2 13.081,4.572 r90 top value=470 (schematic designator R819)
R819_SI3 "RC0805JR-07470RL" 0805R#2 8.255,4.556 r90 top value=470 (schematic designator R819)
R819_SI4 "RC0805JR-07470RL" 0805R#2 10.668,4.556 r90 top value=470 (schematic designator R819)
R819_SI5 "RC0805JR-07470RL" 0805R#2 3.429,4.556 r90 top value=470 (schematic designator R819)
R819_SI6 "RC0805JR-07470RL" 0805R#2 5.842,4.556 r90 top value=470 (schematic designator R819)
U1 "STC8H8K64U_QFN64" LQFP64S(12x12) 31.692,37.345 r45 top (schematic designator U201)
U301 "A05_S-1WR3" A_S-1WR3 3.175,82.296 r270 bottom
U302 "A05_S-1WR3" A_S-1WR3 12.446,82.296 r270 bottom
U303 "WRB_ST(SD)-3WR2" WRB_SD-3WR2 28.702,88.773 r0 bottom
U304 "A05_S-1WR3" A_S-1WR3 21.59,82.296 r270 bottom locked
U305 "A05_S-1WR3" A_S-1WR3 30.734,82.296 r270 bottom
U306 "LM1117IMP" SOT-223 43.561,91.694 r90 top
U307 "A05_S-1WR3" A_S-1WR3 39.878,82.296 r270 bottom
U308 "A05_S-1WR3" A_S-1WR3 49.149,82.296 r270 bottom
U309 "B0505ST16-W5" SOP16-1.27(V2) 59.026,98.425 r0 top
U310 "HCPL063A" SOIC-8 63.754,86.106 r180 top
U311 "TLP293-4" SO-16 -30.48,34.854 r270 top
U312 "TLP293-4" SO-16 -19.431,34.854 r270 top
U401 "ADM2582E" SOIC-20-W -15.089,61.976 r180 top
U501 "TPS61040DBV" sot-23-5 98.425,-66.04 r0 top
U503 "TPS61040DBV" sot-23-5 -1.143,-90.17 r0 top
U601_VI1 "ADuM262N" SOIC-16(RI-16-2) 335.534,-334.01 r0 top (schematic designator U601)
U601_VI2 "ADuM262N" SOIC-16(RI-16-2) 354.076,-314.071 r0 top (schematic designator U601)
U601_VI3 "ADuM262N" SOIC-16(RI-16-2) 346.685,-295.275 r0 top (schematic designator U601)
U601_VI4 "ADuM262N" SOIC-16(RI-16-2) 438.531,-179.578 r0 top (schematic designator U601)
U601_VI5 "ADuM262N" SOIC-16(RI-16-2) 395.097,-262.382 r0 top (schematic designator U601)
U601_VI6 "ADuM262N" SOIC-16(RI-16-2) 412.496,-227.33 r0 top (schematic designator U601)
U602_VI1 "ADuM262N" SOIC-16(RI-16-2) 349.504,-334.01 r0 top (schematic designator U602)
U602_VI2 "ADuM262N" SOIC-16(RI-16-2) 368.046,-314.071 r0 top (schematic designator U602)
U602_VI3 "ADuM262N" SOIC-16(RI-16-2) 360.655,-295.275 r0 top (schematic designator U602)
U602_VI4 "ADuM262N" SOIC-16(RI-16-2) 452.603,-180.086 r0 top (schematic designator U602)
U602_VI5 "ADuM262N" SOIC-16(RI-16-2) 409.067,-262.382 r0 top (schematic designator U602)
U602_VI6 "ADuM262N" SOIC-16(RI-16-2) 426.466,-227.33 r0 top (schematic designator U602)
U603_VI1 "AD5753" CP-40-15(QFN40) 169.291,-330.962 r90 top (schematic designator U603)
U603_VI2 "AD5753" CP-40-15(QFN40) 181.229,-311.023 r90 top (schematic designator U603)
U603_VI3 "AD5753" CP-40-15(QFN40) 173.838,-292.227 r90 top (schematic designator U603)
U603_VI4 "AD5753" CP-40-15(QFN40) 265.786,-177.038 r90 top (schematic designator U603)
U603_VI5 "AD5753" CP-40-15(QFN40) 222.25,-259.334 r90 top (schematic designator U603)
U603_VI6 "AD5753" CP-40-15(QFN40) 239.649,-224.282 r90 top (schematic designator U603)
U604_VI1 "TL431" SOT-23-3 -158.623,-330.073 r90 top (schematic designator U604)
U604_VI2 "TL431" SOT-23-3 -159.893,-310.134 r90 top (schematic designator U604)
U604_VI3 "TL431" SOT-23-3 -167.284,-291.338 r90 top (schematic designator U604)
U604_VI4 "TL431" SOT-23-3 -75.336,-176.149 r90 top (schematic designator U604)
U604_VI5 "TL431" SOT-23-3 -118.872,-258.445 r90 top (schematic designator U604)
U604_VI6 "TL431" SOT-23-3 -101.473,-223.393 r90 top (schematic designator U604)
U605_VI1 "DAC8742H" S-PQFP-G32 -446.278,-331.597 r0 top (schematic designator U605)
U605_VI2 "DAC8742H" S-PQFP-G32 -459.232,-311.658 r0 top (schematic designator U605)
U605_VI3 "DAC8742H" S-PQFP-G32 -466.623,-292.862 r0 top (schematic designator U605)
U605_VI4 "DAC8742H" S-PQFP-G32 -374.675,-177.673 r0 top (schematic designator U605)
U605_VI5 "DAC8742H" S-PQFP-G32 -418.211,-259.969 r0 top (schematic designator U605)
U605_VI6 "DAC8742H" S-PQFP-G32 -400.812,-224.917 r0 top (schematic designator U605)
U701 "AD7124-8" TI-RHB32-3150X3150TP_V 43.821,21.286 r45 bottom
U702 "ADuM260N" SOIC-16 56.261,32.637 r270 bottom
U703 "ADuM260N" SOIC-16 56.261,48.893 r270 bottom
U704 "ADuM241D" SOIC-16 56.261,16.256 r270 bottom